# KiCad board JumperlessV5r8.kicad_pcb (continued)
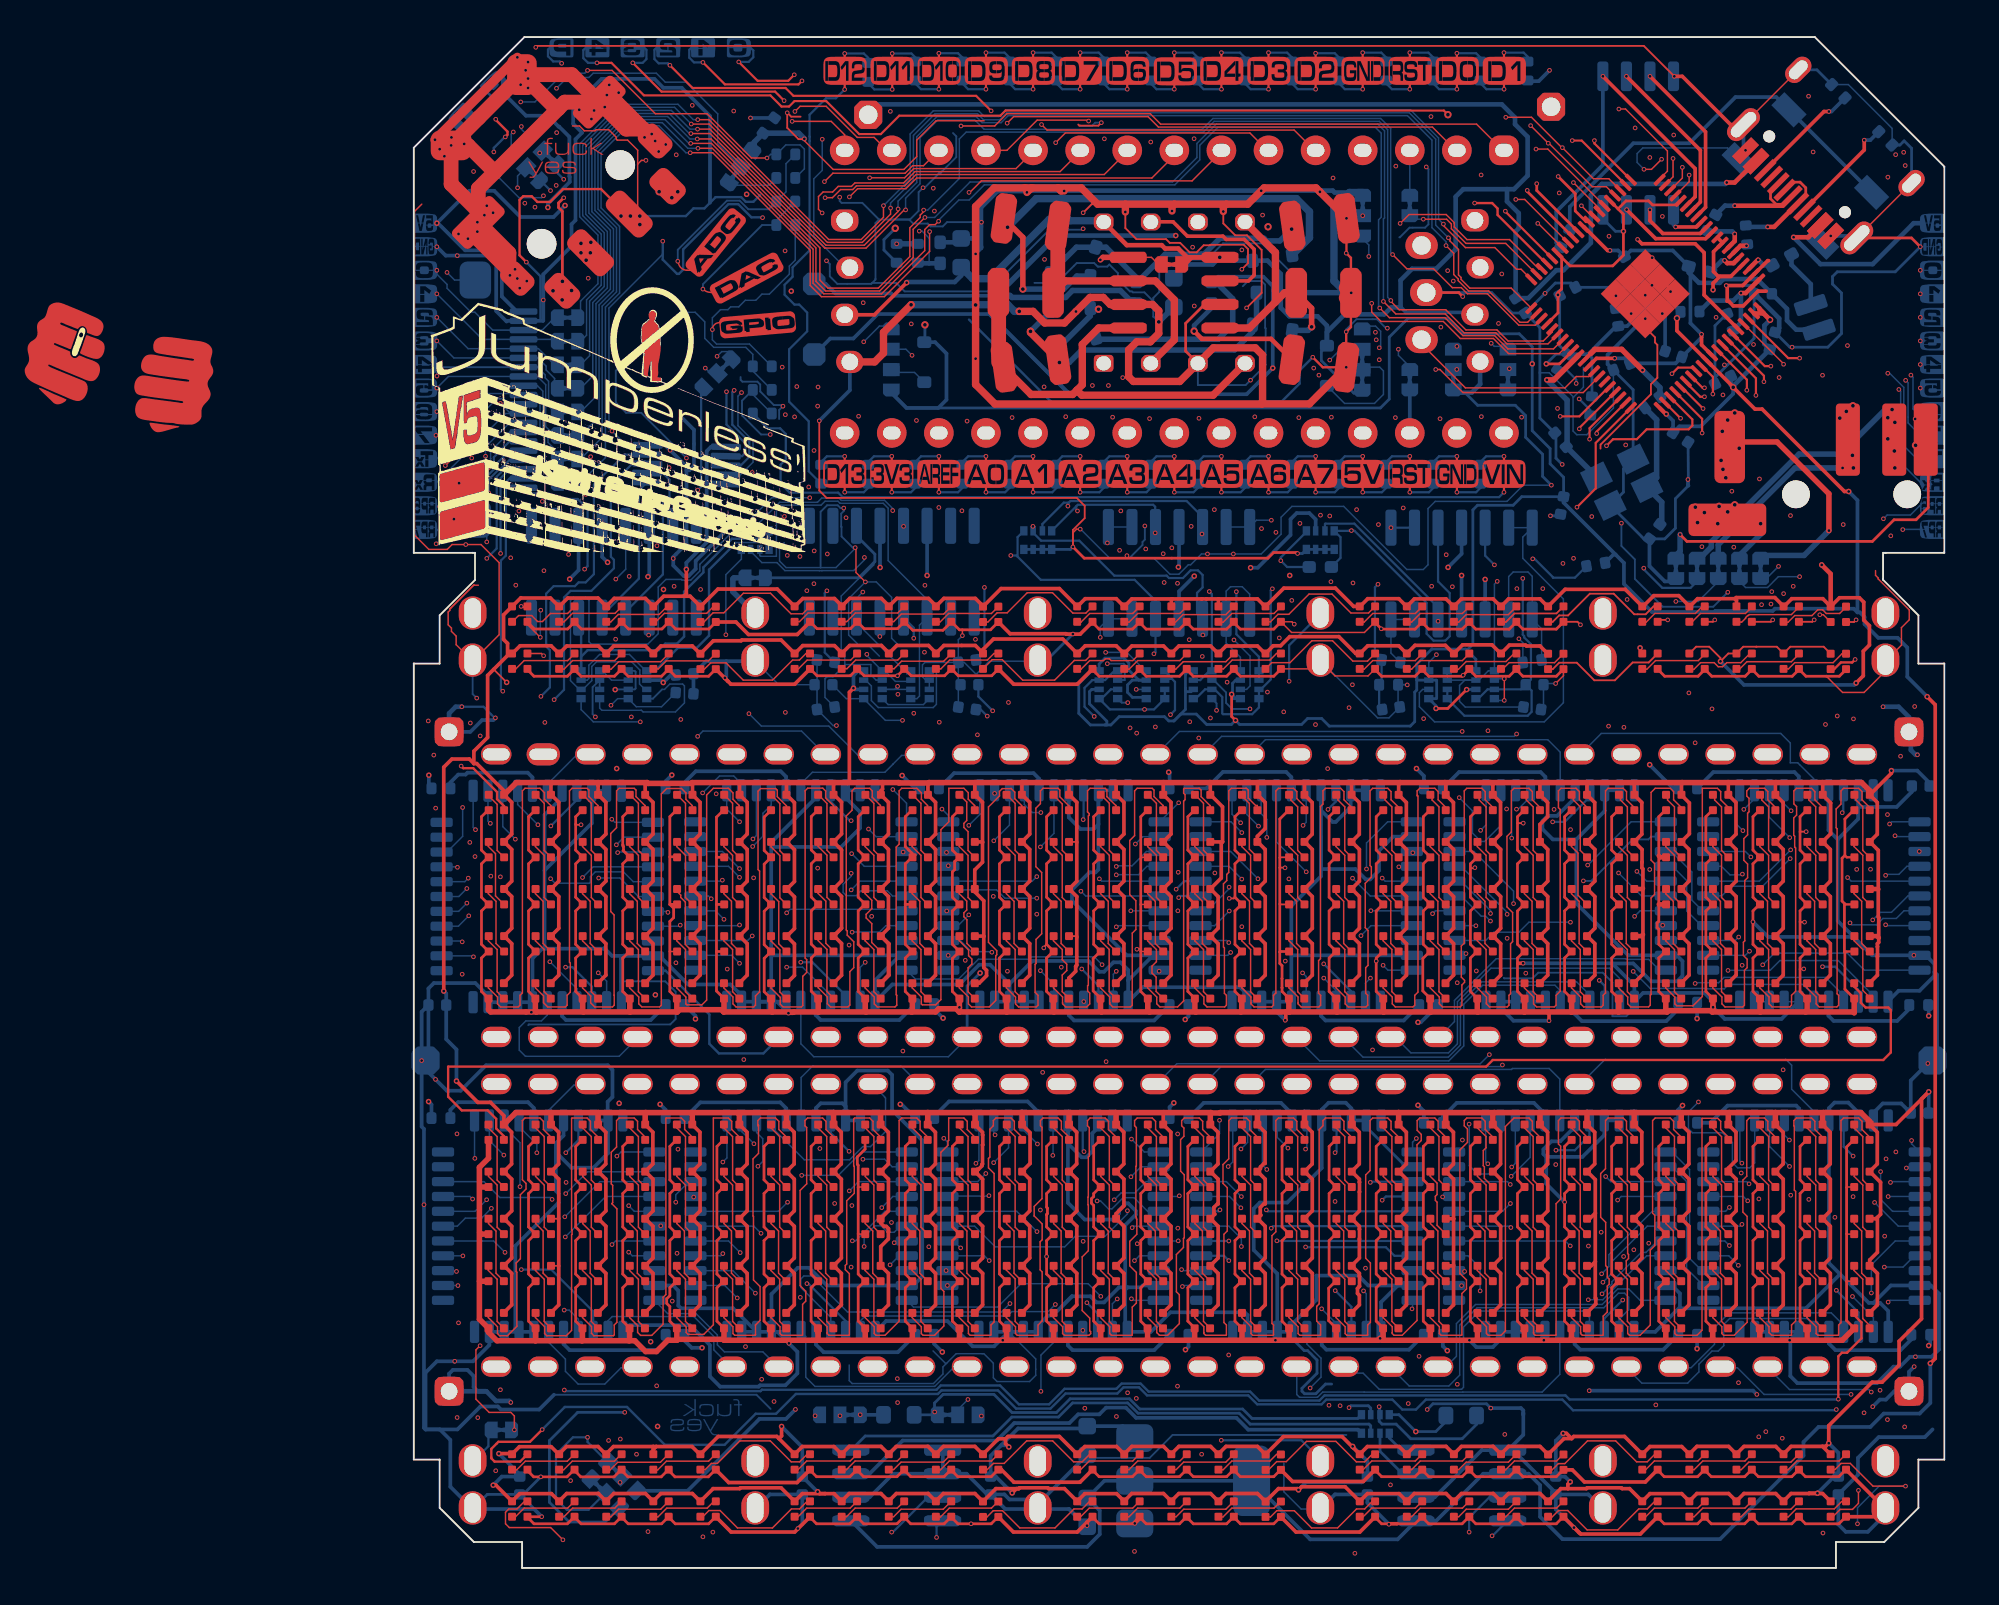
[diagram p0: board, top side]
## Routing (per net, layer and track width the routed paths; a pad name or vN(x,y) marks a point on that pad's centre or on a via; arc(x,y) is an arc through that point) (continued)
  Bottom w0.25: v4(73.15,67.3) 72.85,67 72.85,66 C16.1 71.16,63.73 v4(71.16,63.66) 71.04,63.78 C19.1
+5V: length 1611.5
  Top w0.1: 35.76,34.03 35.72,34.07 D1134.2 ; v2(5.01,47.75) 5.01,47.76 4.31,48.45 ; D1132.2 35.74,39.15 35.76,39.13 ; D1324.2 7.81,16.29 7.82,16.3 ; 7.82,18.84 7.81,18.83 D1323.2 ; D1657.2 69.17,49.68 69.87,49.68 70.48,49.07 v2(70.48,48.89) 70.9,49.31 D1658.2 71.7,49.68 72.41,49.68 72.41,49.67 73.52,49.67 D1659.2 74.25,49.68 76.04,49.68 D1660.2
  Top w0.15: D1301.2 78.92,41.3 ; 14.68,52.41 14.69,52.4
  Top w0.2: 48.01,42.35 48.04,42.33 D1181.2 48.45,41.28 48.45,39.57 D1182.2 ; 20.09,13.76 20.52,14.19 20.52,15.88 20.11,16.3 20.52,16.71 20.52,18.42 20.11,18.84 20.52,19.25 20.52,20.96 20.11,21.38 ; D1472.2 45.67,21.54 45.67,21.62 45.86,21.81 45.92,21.81 45.92,23.5 D1471.2 ; D1442.2 38.3,21.79 38.3,23.5 D1441.2 ; 22.19,4.01 22.66,4.01 D1742.2 ; 22.19,4.01 20.95,4.01 D1741.2 19.81,4.32 17.62,4.32 17.58,4.28 16.14,4.28 D1740.2 ; 22.19,4.01 21.88,4.01 v2(21.78,4.11) ; 78.94,18.9 78.94,17.02 78.53,16.6 78.53,16.3 78.94,15.88 78.94,14.19 78.51,13.76 ; 78.94,18.9 78.87,18.83 D1603.2 ; 78.94,18.9 79.11,19.07 79.11,20.79 78.53,21.38 ; 3.24,43.37 3.24,44.04 3.98,44.78 3.98,48.13 5.06,49.2 ; 3.24,43.37 3.39,43.37 4.87,41.9 D1011.2 ; 3.24,43.37 3,43.62 2.06,43.62 1.62,43.18 v2(1.62,31.11) ; D1111.2 30.26,42.32 30.29,42.35 ; D1301.2 79.7,42.85 v2(79.7,42.99) ; 78.52,41.69 78.94,41.28 78.94,39.57 78.52,39.15 ; D1101.2 27.73,42.29 27.8,42.35 ; D1212.2 56.08,39.57 56.08,41.28 D1211.2 55.66,42.3 55.61,42.35 ; D1321.2 7.82,23.5 7.82,21.79 D1322.2 ; 65.83,39.16 66.25,38.74 66.25,38.06 66.24,38.05 66.24,37.75 66.3,37.69 66.3,32.02 65.81,31.54 ; D1171.2 45.5,42.35 ; 62.45,6.97 62.04,6.97 D1730.2 ; 62.45,6.97 62.56,7.09 65.3,7.09 D1731.2 66.67,6.55 68.38,6.55 D1732.2 ; 62.45,6.97 62.17,7.26 v2(61.99,7.26) ; 25.2,31.53 25.63,31.96 25.63,33.66 25.21,34.07 ; D1750.2 46.64,4.28 47.65,4.27 v2(47.72,4.21) 47.89,4.38 50.23,4.38 D1751.2 51.43,4.01 53.14,4.01 D1752.2 ; 37.87,13.76 38.3,14.19 38.3,15.88 37.89,16.3 38.3,16.71 38.3,18.42 37.9,18.83 D1443.2 37.88,19.1 38.3,19.52 38.3,20.96 37.89,21.38 ; 58.21,39.16 58.62,38.74 58.62,37.03 58.21,36.62 58.62,36.2 58.62,34.49 58.21,34.08 58.62,33.66 58.62,31.97 58.19,31.54 ; 42.93,42.35 42.96,42.33 D1161.2 ; 40.41,31.54 40.84,31.97 40.84,33.66 40.43,34.08 40.84,34.49 40.84,36.2 40.43,36.62 40.84,37.03 40.84,38.74 40.43,39.16 40.84,39.57 40.84,41.28 40.43,41.7 ; 75.98,6.55 76.15,6.55 v2(76.32,6.72) 76.32,7.67 78.66,10.02 79.2,10.02 80.11,10.93 80.11,12.22 81.32,13.44 81.32,25.28 v2(81.71,25.67) 79.95,23.91 D1601.2 78.94,23.5 78.94,21.79 D1602.2 ; 75.98,6.55 76.41,6.12 ; 75.98,6.55 74.29,6.55 73.87,6.14 73.46,6.55 71.75,6.55 71.33,6.14 70.92,6.55 69.21,6.55 68.79,6.14 ; 68.82,51.84 69.24,52.27 71.26,52.27 ; D1616.2 19.61,52.79 16.41,52.79 D1615.2 ; D1362.2 17.98,21.79 17.98,23.5 D1361.2 ; D1382.2 23.06,21.79 23.06,23.5 D1381.2 ; 17.57,21.38 17.98,20.96 17.98,19.25 17.57,18.84 17.98,18.42 17.98,16.71 17.57,16.3 17.98,15.88 17.98,14.19 17.55,13.76 ; 7.84,49.29 7.41,49.72 5.73,49.72 5.3,49.29 ; D1623.2 40.86,52.22 40.9,52.25 ; 43.42,52.25 43.4,52.24 D1624.2 ; 43.42,52.25 42.76,52.25 42.76,52.25 42.5,52.25 42.5,52.25 40.9,52.25 ; 43.42,52.25 45.51,52.25 45.93,51.83 ; 5.28,6.12 5.7,6.54 7.41,6.54 7.82,6.12 ; D1342.2 12.9,21.79 12.9,23.5 D1341.2 ; D1251.2 65.83,42.34 65.82,42.35 ; 76.41,3.58 75.98,4.01 75.25,4.01 ; 19.7,6.97 D1716.2 20.95,6.55 22.66,6.55 D1717.2 ; 19.7,6.97 19.84,7.12 v2(19.84,7.63) ; 19.7,6.97 19.58,7.09 16.42,7.09 D1715.2 ; 22.66,39.17 23.07,39.58 23.07,41.29 22.66,41.71 ; 71.26,52.27 71.33,52.33 73.41,52.33 73.9,51.84 74.32,52.27 76,52.27 76.44,51.83 ; 71.26,52.27 71.34,52.19 D1633.2 ; 68.37,39.16 68.78,38.74 68.78,37.03 68.37,36.62 68.78,36.2 68.78,34.49 68.37,34.08 68.78,33.66 68.78,31.97 68.35,31.54 ; 70.89,13.76 71.32,14.19 71.32,15.88 70.91,16.3 71.32,16.71 71.32,18.42 70.91,18.84 71.32,19.25 71.32,20.96 70.91,21.38 ; D1542.2 63.7,21.79 63.7,23.5 D1541.2 ; 75.25,4.01 74.29,4.01 73.87,3.6 73.46,4.01 71.75,4.01 71.33,3.6 70.92,4.01 69.21,4.01 68.79,3.6 ; 75.25,4.01 75.27,4.03 v2(75.71,4.03) ; D1352.2 15.44,21.79 15.44,23.5 D1351.2 ; 32.63,4.28 31.4,4.28 D1745.2 ; 32.63,4.28 32.67,4.32 34.2,4.32 34.24,4.28 35.09,4.28 D1746.2 36.19,4.01 37.9,4.01 D1747.2 ; 32.63,4.28 32.51,4.28 v2(32.27,4.04) ; 5.77,52.3 7.37,52.3 7.84,51.83 ; 63.73,16.52 63.73,14.55 63.75,14.53 63.75,14.24 63.27,13.76 ; 63.73,16.52 63.5,16.29 D1544.2 ; 63.73,16.52 63.73,19.13 ; 56.08,16.32 56.06,16.29 D1514.2 ; 56.08,16.32 56.08,18.83 ; 56.08,16.32 56.08,14.19 55.65,13.76 ; D1511.2 56.08,23.5 56.08,21.79 D1512.2 ; 5.06,49.2 5.16,49.31 D1636.2 ; 5.06,49.2 5.06,49.85 4.84,50.07 4.84,51.39 D1611.2 ; 15.43,6.12 15.01,6.55 13.07,6.55 ; 15.45,3.58 15.02,4.01 13.33,4.01 12.91,3.6 12.5,4.01 10.79,4.01 10.37,3.6 9.96,4.01 8.25,4.01 7.83,3.6 ; 25.6,18.26 25.6,18.12 ; 25.6,18.12 25.6,18.11 25.6,17.74 25.19,17.33 25.19,16.3 25.6,15.88 25.6,14.19 25.17,13.76 ; 25.6,18.12 25.6,18.3 25.48,18.42 25.37,18.42 25.18,18.6 D1393.2 ; D1720.2 31.53,6.96 31.92,6.96 ; 32.8,21.37 33.24,21.81 33.24,23.47 32.8,23.91 ; 63.25,42.35 63.28,42.33 D1241.2 63.7,41.28 63.7,39.57 D1242.2 ; 75.99,21.38 76.4,20.96 76.4,19.25 75.99,18.84 76.4,18.42 76.4,16.71 75.99,16.3 76.4,15.88 76.4,14.19 75.97,13.76 ; D1041.2 12.48,42.25 12.58,42.35 ; 45.51,41.7 45.92,41.28 45.92,39.87 45.5,39.45 D1172.2 ; 23.11,49.32 22.69,49.74 20.98,49.74 20.57,49.32 ; D1462.2 43.38,21.79 43.38,23.5 D1461.2 ; 50.69,6.46 50.07,7.08 46.9,7.08 D1725.2 ; 50.69,6.46 D1726.2 51.43,6.55 53.14,6.55 D1727.2 ; 50.69,6.46 50.69,6.51 v2(50.64,6.55) ; v2(4.28,4.46) 4.43,4.46 D1736.2 5.71,4.01 7.42,4.01 D1737.2 ; 50.58,21.37 51,21.79 51,23.5 50.58,23.91 ; D1131.2 35.34,42.3 35.39,42.35 ; 73.43,13.76 73.86,14.19 73.86,15.88 73.45,16.3 73.86,16.71 73.86,18.42 73.45,18.84 73.86,19.25 73.86,20.96 73.45,21.38 ; 35.78,51.83 36.21,52.26 37.89,52.26 38.32,51.83 ; 42.95,31.54 43.38,31.97 43.38,33.66 42.97,34.08 43.38,34.49 43.38,36.2 42.97,36.62 43.55,37.2 43.55,39.09 43.62,39.16 ; D1372.2 20.52,21.79 20.52,23.5 D1371.2 ; v2(23.71,47.44) 23.5,47.22 23.5,42.44 23.41,42.35 ; 7.39,31.54 7.82,31.97 7.82,33.66 7.41,34.08 7.82,34.49 7.82,36.2 7.41,36.62 7.82,37.03 7.82,38.74 7.41,39.16 7.82,39.57 7.82,41.28 7.41,41.7 ; 61.17,51.83 60.74,52.25 59.05,52.25 58.63,51.84 58.22,52.25 56.51,52.25 56.09,51.84 55.68,52.25 53.97,52.25 53.55,51.84 ; 23.07,6.14 23.49,6.55 25.2,6.55 25.61,6.14 26.03,6.55 27.74,6.55 28.15,6.14 28.57,6.55 30.26,6.55 30.69,6.12 ; 53.55,49.3 54,49.75 55.64,49.75 56.09,49.3 56.57,49.78 58.16,49.78 58.63,49.3 59.1,49.76 59.96,49.76 60.01,49.71 60.74,49.71 61.17,49.29 ; D1722.2 37.9,6.55 36.19,6.55 D1721.2 34.82,7.09 32.05,7.09 31.92,6.96 ; 9.95,41.7 10.36,41.28 10.36,39.57 9.95,39.16 10.36,38.74 10.36,37.03 9.95,36.62 10.36,36.2 10.36,34.49 9.95,34.08 10.36,33.66 10.36,31.97 9.93,31.54 ; 73.45,39.16 73.86,38.74 73.86,37.03 73.45,36.62 73.86,36.2 73.86,34.49 73.45,34.08 73.86,33.66 73.86,31.97 73.43,31.54 ; 32.85,42.35 32.8,42.3 D1121.2 ; D1522.2 58.62,21.79 58.62,23.5 D1521.2 ; 5.78,52.32 5.31,51.85 ; 48.03,13.76 48.46,14.19 48.46,15.88 48.05,16.3 48.46,16.71 48.46,18.42 48.05,18.84 48.46,19.25 48.46,20.96 48.05,21.38 ; D1482.2 48.46,21.79 48.46,23.5 D1481.2 ; 22.72,42.35 22.64,42.27 D1081.2 ; 9.93,52.3 8.3,52.3 7.85,51.85 ; 66.29,51.83 66.88,52.43 68.23,52.43 68.83,51.83 ; 4.87,21.38 5.28,20.96 5.28,19.25 4.87,18.84 5.28,18.42 5.28,16.71 4.87,16.3 5.28,15.88 5.28,14.19 4.85,13.76 ; 42.95,13.76 43.38,14.19 43.38,15.88 42.97,16.3 43.38,16.71 43.38,18.42 42.97,18.84 43.2,19.07 43.16,19.12 43.16,19.44 43.35,19.63 43.38,19.63 43.38,20.96 42.97,21.38 ; 23.1,49.33 23.51,49.74 25.22,49.74 25.64,49.33 26.05,49.74 27.76,49.74 28.18,49.33 28.59,49.74 30.29,49.74 30.72,49.31 ; D1650.2 46.36,49.73 46.75,49.73 47.25,50.22 49.9,50.22 50.81,49.31 D1651.2 ; 75.97,31.54 76.4,31.97 76.4,33.66 75.99,34.08 76.4,34.49 76.4,36.2 75.99,36.62 76.4,37.03 76.4,38.74 75.99,39.16 ; 40.41,13.76 40.84,14.19 40.84,15.88 40.43,16.3 40.84,16.71 40.84,18.42 40.43,18.84 40.84,19.25 40.84,20.96 40.43,21.38 ; D1232.2 60.74,40.09 61.16,40.51 61.16,41.28 D1231.2 60.74,42.32 60.77,42.35 ; 7.81,6.13 8.23,6.55 9.94,6.55 10.35,6.13 10.77,6.55 12.92,6.55 ; 53.11,31.54 53.54,31.97 53.54,33.66 53.13,34.08 53.54,34.49 53.54,36.2 53.13,36.62 53.54,37.03 53.54,38.74 53.13,39.16 ; 53.56,49.29 53.13,49.72 51.45,49.72 51.02,49.29 ; D1114.2 30.73,34.07 30.75,34.05 ; 60.73,31.54 61.16,31.97 61.16,33.66 60.75,34.08 61.16,34.49 61.16,36.2 60.75,36.62 61.16,37.03 61.16,38.74 60.75,39.16 ; 32.79,31.54 33.22,31.97 33.22,33.66 32.81,34.08 33.22,34.49 33.22,36.2 32.81,36.62 33.22,37.03 33.22,38.74 32.81,39.16 33.22,39.57 33.22,41.28 32.81,41.7 ; 43.62,39.16 43.62,41.04 42.97,41.7 ; 43.62,39.16 43.61,39.15 D1162.2 ; D1431.2 35.76,23.5 35.76,21.79 D1432.2 ; 53.11,13.76 53.54,14.19 53.54,15.88 53.13,16.3 53.54,16.71 53.54,18.42 53.13,18.84 53.54,19.25 53.54,20.96 53.13,21.38 ; 48.03,31.54 48.46,31.97 48.46,33.66 48.05,34.08 48.46,34.49 48.46,36.2 48.05,36.62 48.46,37.03 48.46,38.74 48.05,39.16 ; 38.31,3.6 38.73,4.01 40.44,4.01 40.85,3.6 41.27,4.01 42.98,4.01 43.39,3.6 43.81,4.01 45.5,4.01 45.93,3.58 ; 56.08,18.83 56.08,20.96 55.67,21.38 ; 56.08,18.83 D1513.2 ; 25.28,42.35 25.28,41.99 25.19,41.9 D1091.2 ; 70.9,42.35 D1271.2 71.32,41.28 71.32,39.57 D1272.2 ; 75.98,39.15 76.42,39.59 76.42,41.25 75.98,41.69 ; 63.27,31.54 63.7,31.97 63.7,33.66 63.29,34.08 63.7,34.49 63.7,36.2 63.29,36.62 63.7,37.03 63.7,38.74 63.29,39.16 ; 50.57,31.54 51,31.97 51,33.66 50.59,34.08 51,34.49 51,36.2 50.59,36.62 51,37.03 51,38.74 50.59,39.16 ; 30.26,23.91 30.68,23.5 30.68,23.35 30.69,23.34 30.69,22.82 30.68,22.81 30.68,21.79 30.64,21.75 30.64,21.68 30.45,21.49 30.38,21.49 30.26,21.37 ; 25.19,41.7 25.6,41.28 25.6,39.57 25.19,39.16 25.6,38.74 25.6,37.03 25.19,36.62 25.6,36.2 25.6,34.49 25.19,34.08 25.6,33.66 25.6,31.97 25.17,31.54 ; 32.81,21.38 33.22,20.96 33.22,19.25 32.81,18.84 33.22,18.42 33.22,16.71 32.81,16.3 33.22,15.88 33.22,14.19 32.79,13.76 ; D1621.2 34.82,52.81 31.67,52.81 D1620.2 ; D1757.2 68.38,4.01 66.67,4.01 D1756.2 65.58,4.28 65.18,4.28 65.13,4.32 63.29,4.32 63.25,4.28 62.25,4.28 ; 53.2,42.35 53.12,42.27 D1201.2 53.54,41.28 53.54,39.57 D1202.2 ; 30.25,31.54 30.5,31.54 30.89,31.94 30.89,32.23 30.75,32.37 30.75,34.05 ; 13.07,6.55 12.92,6.39 D1714.2 12.92,6.55 ; 13.07,6.55 12.92,6.55 ; 30.75,34.05 30.75,35.97 30.26,36.46 30.26,37.64 30.68,38.06 30.68,39.13 ; D1543.2 63.42,18.83 63.73,19.13 ; 30.68,39.13 30.66,39.15 D1112.2 ; 30.68,39.13 30.68,41.29 30.27,41.7 ; 65.83,21.38 66.24,20.96 66.24,19.25 65.83,18.84 66.24,18.42 66.24,16.71 65.83,16.3 66.24,15.88 66.24,14.19 65.81,13.76 ; 75.98,42.35 75.99,42.34 D1291.2 ; 12.49,41.7 12.9,41.28 12.9,39.57 12.49,39.16 12.9,38.74 12.9,37.03 12.49,36.62 12.9,36.2 12.9,34.49 12.49,34.08 12.9,33.66 12.9,31.97 12.47,31.54 ; v2(32.1,6.52) 31.92,6.7 31.92,6.96 ; 58.19,13.76 58.62,14.19 58.62,15.88 58.21,16.3 58.62,16.71 58.62,18.42 58.21,18.84 58.62,19.25 58.62,20.96 58.21,21.38 ; D1755.2 61.87,4.28 62.25,4.28 ; 45.49,13.76 45.92,14.19 45.92,15.88 45.51,16.3 45.92,16.71 45.92,18.42 45.51,18.84 45.69,19.02 45.66,19.05 45.66,19.44 45.85,19.63 45.92,19.63 45.92,20.96 45.51,21.38 ; 20.1,31.52 20.53,31.95 20.53,33.65 20.12,34.06 20.53,34.48 20.53,36.19 20.12,36.6 20.53,37.02 20.53,38.73 20.12,39.14 20.53,39.56 20.53,41.27 20.12,41.68 ; D1625.2 46.92,52.83 49.71,52.83 50.69,51.85 D1626.2 ; 25.19,21.38 25.6,20.96 25.6,19.25 25.19,18.84 ; 63.73,19.13 63.73,20.94 63.29,21.38 ; D1222.2 58.62,39.57 58.62,41.28 D1221.2 58.2,42.22 58.07,42.35 ; 50.57,13.76 51,14.19 51,14.7 50.9,14.8 50.9,15.07 51,15.17 51,15.19 51.01,15.2 51.01,15.72 51,15.73 51,15.88 50.59,16.3 51,16.71 51,17.73 51.01,17.74 51.01,18.26 51,18.27 51,18.42 50.59,18.84 51,19.25 51,20.27 51.01,20.28 51.01,20.8 51,20.81 51,20.96 50.59,21.38 ; 37.87,31.54 38.3,31.97 38.3,33.66 37.89,34.08 38.3,34.49 38.3,36.2 37.89,36.62 38.3,37.03 38.3,38.74 37.89,39.16 38.3,39.57 38.3,41.28 37.89,41.7 ; 78.53,39.16 78.99,38.7 78.99,35.1 79.01,35.08 79.01,33.74 78.94,33.66 78.94,33.51 78.95,33.5 78.95,32.98 78.94,32.97 78.94,31.97 78.51,31.54 ; D1645.2 30.7,49.52 31.27,50.09 35,50.09 D1646.2 ; 68.36,41.69 68.8,41.25 68.8,39.59 68.36,39.15 ; 23.11,51.86 22.69,52.28 20.98,52.28 20.57,51.86 ; 53.55,6.14 53.97,6.55 55.68,6.55 56.09,6.14 56.51,6.55 58.22,6.55 58.63,6.14 59.05,6.55 60.74,6.55 61.17,6.12 ; 38.31,6.14 38.73,6.55 40.44,6.55 40.85,6.14 41.27,6.55 42.98,6.55 43.39,6.14 43.81,6.55 45.5,6.55 45.93,6.12 ; 27.73,41.7 28.14,41.28 28.14,39.57 27.73,39.16 28.14,38.74 28.14,37.03 27.73,36.62 28.14,36.2 28.14,34.49 27.73,34.08 28.14,33.66 28.14,31.97 27.71,31.54 ; 23.1,51.87 23.51,52.28 25.22,52.28 25.64,51.87 26.05,52.28 27.76,52.28 28.18,51.87 28.59,52.28 30.29,52.28 30.72,51.85 ; 68.35,13.76 68.78,14.19 68.78,15.88 68.37,16.3 68.78,16.71 68.78,18.42 68.37,18.84 68.78,19.25 68.78,20.96 68.37,21.38 ; 38.32,49.29 37.89,49.72 36.21,49.72 35.78,49.29 ; 35.35,21.38 35.76,20.96 35.76,19.25 35.35,18.84 35.76,18.42 35.76,16.71 35.35,16.3 35.76,15.88 35.76,14.19 35.33,13.76 ; D1021.2 7.4,42.32 7.43,42.35 ; D1071.2 20.1,42.32 20.13,42.35 ; 7.41,21.38 7.82,20.97 7.82,14.18 7.39,13.76 ; 12.47,13.76 12.9,14.19 12.9,15.88 12.49,16.3 12.9,16.71 12.9,18.42 12.49,18.84 12.9,19.25 12.9,20.96 12.49,21.38 ; 35.33,31.54 35.33,31.81 35.7,32.17 35.7,32.43 35.71,32.45 35.71,32.46 35.76,32.5 35.76,36.2 35.35,36.62 35.76,37.03 35.76,41.28 35.35,41.7 ; D1051.2 15.03,42.34 15.02,42.35 ; D1571.2 71.32,23.5 71.32,21.97 70.9,21.55 D1572.2 ; D1085.2 23.07,31.96 23.07,33.67 22.66,34.09 23.07,34.5 23.07,36.21 22.66,36.63 23.07,37.04 23.07,38.72 D1082.2 ; 30.27,21.38 30.68,20.96 30.68,19.25 30.27,18.84 30.68,18.42 30.68,16.71 30.27,16.3 30.68,15.88 30.68,14.19 30.25,13.76 ; 15.03,41.7 15.44,41.28 15.44,39.57 15.03,39.16 15.44,38.74 15.44,37.03 15.03,36.62 15.44,36.2 15.44,34.49 15.03,34.08 15.44,33.66 15.44,31.97 15.01,31.54 ; 4.85,31.54 5.28,31.97 5.28,33.66 4.87,34.08 5.28,34.49 5.28,36.2 4.87,36.62 5.28,37.03 5.28,38.74 4.87,39.16 5.28,39.57 5.28,41.28 4.87,41.7 ; 68.41,42.35 68.37,42.31 D1261.2 ; D1151.2 40.42,42.32 40.45,42.35 ; D1501.2 53.54,23.5 53.54,21.79 D1502.2 ; 23.07,3.6 23.49,4.01 25.2,4.01 25.61,3.6 26.03,4.01 27.74,4.01 28.15,3.6 28.57,4.01 30.26,4.01 30.69,3.58 ; D1582.2 73.86,21.79 73.86,23.5 D1581.2 ; 62.25,4.28 62.25,4.51 v2(62.37,4.64) ; 15.01,13.76 15.44,14.19 15.44,15.88 15.03,16.3 15.44,16.71 15.44,18.42 15.03,18.84 15.44,19.25 15.44,20.96 15.03,21.38 ; v2(26.58,69.31) 24.85,67.57 J10.3 ; 17.55,31.54 17.98,31.97 17.98,33.66 17.57,34.08 17.98,34.49 17.98,36.2 17.57,36.62 17.98,37.03 17.98,38.74 17.57,39.16 17.98,39.57 17.98,41.28 17.57,41.7 ; D1061.2 17.57,42.34 17.59,42.35 ; 14.57,52.4 14.9,52.4 15.47,51.84 ; 14.57,52.4 14.7,52.53 v2(14.7,53.85) ; 14.57,52.4 13.48,52.4 12.93,51.85 12.5,52.28 10.81,52.28 D1613.2 ; 22.65,21.38 23.06,20.96 23.06,19.25 22.65,18.84 23.06,18.42 23.06,16.71 22.65,16.3 23.06,15.88 23.06,14.19 22.63,13.76 ; 40.9,52.25 38.72,52.25 38.31,51.84 ; 50.55,42.35 50.58,42.33 D1191.2 51,41.28 51,39.57 D1192.2 ; 40.45,24.55 40.42,24.52 D1451.2 40.84,23.5 40.84,21.79 D1452.2 ; D1312.2 5.28,21.79 5.28,23.5 D1311.2 4.86,24.38 4.14,25.1 3.46,25.1 v2(2.3,26.25) ; D1332.2 10.36,21.79 10.36,23.5 D1331.2 ; D1640.2 16.16,50 17.65,50 17.7,50.04 19.81,50.04 D1641.2 ; D1561.2 68.78,23.5 68.78,21.79 D1562.2 ; D1141.2 37.88,42.27 37.8,42.35 ; 73.47,42.35 73.44,42.32 D1281.2 73.86,41.28 73.86,39.57 D1282.2 ; 45.49,31.54 45.92,31.97 45.92,33.66 45.51,34.08 45.92,34.49 45.92,36.2 45.51,36.62 45.92,37.03 45.92,38.74 45.51,39.16 ; 65.82,41.69 66.24,41.28 66.24,39.57 65.82,39.15 ; 7.83,49.3 8.25,49.71 9.96,49.71 10.37,49.3 10.79,49.71 12.5,49.71 12.91,49.3 13.33,49.71 15.02,49.71 15.45,49.29 ; 9.95,21.38 10.36,20.96 10.36,19.25 9.95,18.84 10.36,18.42 10.36,16.71 9.95,16.3 10.36,15.88 10.36,14.19 9.93,13.76 ; D1631.2 65.34,52.77 62.1,52.77 D1630.2 ; 23.06,34.49 22.65,34.07 ; 53.56,51.83 53.13,52.26 51.45,52.26 51.02,51.83 ; 27.71,13.76 28.14,14.19 28.14,15.88 27.73,16.3 28.14,16.71 28.14,18.42 27.73,18.84 28.14,19.25 28.14,20.96 27.73,21.38 ; D1031.2 9.94,42.35 ; D1552.2 66.24,21.79 66.24,23.5 D1551.2 ; 53.55,3.6 53.97,4.01 55.68,4.01 56.09,3.6 56.51,4.01 58.22,4.01 58.63,3.6 59.05,4.01 60.74,4.01 61.17,3.58 ; D1402.2 28.14,21.79 28.14,23.5 D1401.2 ; v2(4.59,6.16) 5.27,6.16 D1711.2 ; D1531.2 61.16,23.5 61.16,21.79 D1532.2 ; 55.67,39.16 56.08,38.74 56.08,37.03 55.67,36.62 56.08,36.2 56.08,34.49 55.67,34.08 56.08,33.66 56.08,31.97 55.65,31.54 ; D1392.2 25.6,21.79 25.6,23.5 D1391.2 ; 60.75,21.38 61.16,20.96 61.16,19.25 60.75,18.84 61.16,18.42 61.16,16.71 60.75,16.3 61.16,15.88 61.16,14.19 60.73,13.76 ; v2(77.79,47.72) 78.18,48.11 78.18,49.44 78.51,49.77 78.51,50.81 78.21,51.11 78.21,52.08 77.97,52.32 76.9,52.32 D1635.2 ; 70.89,31.54 71.32,31.97 71.32,33.66 70.91,34.08 71.32,34.49 71.32,36.2 70.91,36.62 71.32,37.03 71.32,38.74 70.91,39.16 ; 45.93,49.29 45.5,49.71 43.81,49.71 43.39,49.3 42.98,49.71 41.27,49.71 40.85,49.3 40.44,49.71 38.73,49.71 38.31,49.3 ; 9.94,52.3 10.38,51.85 ; D1591.2 76.4,23.5 76.4,21.79 D1592.2 ; 57.29,67.57 57.29,67.67
  Top w0.25: 79.01,33.98 78.92,34.07 D1304.2 ; D1635.2 76.42,53.61 v2(75.94,54.09) ; D1254.2 66.21,34.07 66.3,34.15 ; 66.3,36.64 66.26,36.61 D1253.2 ; 78.99,36.59 78.97,36.61 D1303.2 ; U1.8 38.46,71.33 40.34,71.33 40.52,71.15 41.23,71.15 41.71,70.67 v3(43.47,70.67) ; 43.54,70.8 43.41,70.67 41.95,70.67 JP31.2 ; v2(70.82,74.71) 71.24,74.71 J2.A9 ; J2.A4 75.22,71.76 v2(74.42,71.76)
  Top w0.3: 32.8,24.55 30.18,24.55 ; 32.8,24.55 32.81,24.54 D1421.2 ; 32.8,24.55 35.31,24.55 ; 30.18,24.55 30.27,24.46 D1411.2 ; 30.18,24.55 27.72,24.55 ; 25.1,24.55 25.18,24.48 D1391.2 ; 25.1,24.55 22.67,24.55 ; 25.1,24.55 27.72,24.55 ; D1331.2 9.94,24.55 ; 9.94,24.55 7.43,24.55 ; 9.94,24.55 12.51,24.55 ; 15.05,24.55 15.02,24.53 D1351.2 ; 15.05,24.55 12.51,24.55 ; 15.05,24.55 17.46,24.55 ; 20.02,24.55 17.46,24.55 ; 20.02,24.55 20.1,24.48 D1371.2 ; 20.02,24.55 22.67,24.55 ; 17.46,24.55 17.56,24.45 D1361.2 ; 58.28,24.55 58.2,24.48 D1521.2 ; 58.28,24.55 60.71,24.55 ; 58.28,24.55 55.69,24.55 ; 70.95,24.55 68.41,24.55 ; 70.95,24.55 73.44,24.55 ; 70.95,24.55 70.9,24.5 D1571.2 ; 68.41,24.55 65.82,24.55 ; 68.41,24.55 68.36,24.5 D1561.2 ; D1401.2 27.72,24.55 ; D1431.2 35.34,24.53 35.31,24.55 ; D1311.2 5.5,24.55 7.43,24.55 ; 7.43,24.55 7.4,24.53 D1321.2 ; 65.82,24.55 63.28,24.55 ; 65.82,24.55 D1551.2 ; 50.58,24.55 50.59,24.54 D1491.2 ; 50.58,24.55 53.12,24.55 ; 50.58,24.55 48.01,24.55 ; 42.99,24.55 42.96,24.53 D1461.2 ; 42.99,24.55 37.85,24.55 ; 42.99,24.55 43,24.53 43.48,24.53 43.5,24.55 45.45,24.55 ; 45.45,24.55 48.01,24.55 ; 45.45,24.55 45.5,24.5 D1471.2 ; 37.85,24.55 37.88,24.53 D1441.2 ; 37.85,24.55 35.31,24.55 ; 73.44,24.55 D1581.2 ; 73.44,24.55 76.03,24.55 ; 22.67,24.55 22.64,24.53 D1381.2 ; 48.01,24.55 48.04,24.53 D1481.2 ; 12.51,24.55 12.48,24.53 D1341.2 ; 55.69,24.55 53.12,24.55 ; 55.69,24.55 55.66,24.53 D1511.2 ; 53.12,24.55 D1501.2 ; D1531.2 60.74,24.53 60.71,24.55 ; D1301.2 78.53,41.9 78.09,42.35 27.8,42.35 27.78,42.33 26.17,42.33 26.15,42.35 15.02,42.35 14.97,42.3 12.63,42.3 12.58,42.35 5.53,42.35 D1011.2 ; D1601.2 78.52,24.08 78.05,24.55 76.03,24.55 ; 76.03,24.55 75.98,24.5 D1591.2 ; 60.71,24.55 63.28,24.55 ; 63.28,24.55 D1541.2
  In1.Cu w0.1: v2(70.48,48.89) 66.59,48.89 66.14,49.33 v2(66.14,49.61) ; v2(5.01,47.75) 5.4,47.36 v2(10.86,47.36) 23.64,47.36 v2(23.71,47.44)
  In1.Cu w0.2: v2(20.36,68.85) 20.53,68.68 25.92,68.68 26.55,69.31 v2(26.58,69.31) ; v2(17.95,74.07) 17.31,74.72 13.17,74.72 12.22,73.77 8.46,73.77 v2(8.16,73.47) ; v2(74.42,71.76) 71.47,74.71 v2(70.82,74.71)
  In2.Cu w0.2: v2(4.59,6.16) 4.59,6.57 3.84,7.32 3.48,7.32 3.02,7.78 3.02,8.31 3.51,8.8 3.51,9.89 2.61,10.78 2.61,11.64 1.72,12.53 1.72,23.74 2.3,24.32 v2(2.3,26.25) ; v2(14.7,53.85) 14.68,53.87 14.68,58.43 15.81,59.55 15.81,64.09 16.03,64.31 16.03,64.94 15.67,65.31 15.67,67.75 15.8,67.88 17.73,67.88 18.42,68.56 20.07,68.56 v2(20.36,68.85) 20.35,68.86 20.35,71.81 18.09,74.07 v2(17.95,74.07)
  In2.Cu w0.25: v2(75.94,54.09) 75.26,54.77 75.26,56.45 76,57.19 76,60.36 75.26,61.1 75.26,64.59 75.28,64.61 75.28,65.83 74.42,66.68 v2(74.42,71.76)
  Bottom w0.1: v2(10.86,47.36) 10.88,47.38 RN8.6 11.92,47.38 11.96,47.43 11.96,48.33 11.92,48.38 RN8.8
  Bottom w0.15: D3.2 48.95,65.61 48.95,65.1 50.7,63.35 JP19.2 51.18,63.37
  Bottom w0.2: v2(75.71,4.03) 76.6,4.93 C31.1 76.84,6.21 v2(76.32,6.72) ; U1806.1 16.03,60.45 15.8,60.22 15.8,55.3 14.7,54.2 v2(14.7,53.85) ; v2(4.28,4.46) 4.75,4.93 C30.1 5.71,5.04 v2(4.59,6.16) ; v2(61.99,7.26) 61.59,6.86 C28.1 62.09,4.93 v2(62.37,4.64) ; C37.1 59.88,68.47 ; v2(8.16,73.47) 7.54,72.85 5.75,72.85 4.34,74.26 2.99,74.26 v2(1.24,72.51) 1.31,72.51 2.77,71.05 4.47,71.05 4.75,70.77 4.75,68.56 5.56,67.75 J5.1 ; U2.3 38.24,7.65 C7.1 36.2,7.52 32.59,7.52 31.68,6.61 ; v2(32.1,6.52) 32.01,6.61 31.68,6.61 ; v2(77.79,47.72) 77.69,47.62 71.75,47.62 v2(70.48,48.89) ; v2(21.78,4.11) 21.77,4.11 C33.1 20.96,6.51 v2(19.84,7.63) ; RN4.8 23.96,48.38 23.71,48.12 v2(23.71,47.44) 23.78,47.38 RN4.6 ; v2(81.71,25.67) 81.71,24.54 C35.1 ; 31.68,6.61 31.11,6.05 C29.1 31.39,4.93 v2(32.27,4.04) ; 53.22,68 53.52,67.71 57.12,67.71 J9.3 ; v2(79.7,42.99) 81.09,42.99 81.76,42.33 C34.1 ; v2(2.3,26.25) 2.3,27.96 1.75,28.51 C36.1 1.75,30.97 v2(1.62,31.11) ; v2(50.64,6.55) 51.44,5.76 C32.1 51.12,4.62 48.13,4.62 v2(47.72,4.21)
  Bottom w0.25: J14.1 25.07,78.92 58.68,78.92 59.4,78.21 59.4,77.85 60.08,77.17 60.08,75.08 59.34,74.35 58.96,74.35 ; D62.2 46.05,70.49 46.76,69.78 46.76,67.95 47.22,67.5 48.74,67.5 49.25,66.99 D3.2 49.25,66.64 50.21,67.6 52.34,67.6 52.71,67.97 53.2,67.97 53.22,68 53.22,69.44 53.84,70.06 55.14,70.06 56.19,71.11 56.19,73.94 56.6,74.35 58.96,74.35 ; D62.2 44.3,70.49 44.1,70.69 43.49,70.69 v3(43.47,70.67) 43.09,70.29 41.74,70.29 C9.1 ; D62.2 45.24,70.24 ; 58.96,74.35 58.96,73.69 59.6,73.05 59.6,72.24 59.43,72.07 C37.1 60.12,68.47 61.62,69.98 62.01,69.98 63.49,71.45 63.49,74.04 64.08,74.63 70.74,74.63 v2(70.82,74.71) ; v2(26.58,69.31) 26.62,69.34 29.18,69.34 29.52,69.69 C11.1 ; J8.1 80.9,72.51 78.69,70.31 75.87,70.31 v2(74.42,71.76)
  Bottom w0.4: C11.1 30.14,69.52 31.07,69.52 34.27,72.72 35.29,72.72 35.37,72.65 37.16,72.65 37.22,72.59
